# Altium PCB ledcube8x8x8.PcbDoc (part 2 of 2)
Units mil, origin at the board's own origin, x right, y up, seen from the top; angles counter-clockwise.
Board outline 3409 x 3740.16 mil, 2 copper layers (Top Layer, Bottom Layer); 126 components, 182 nets, 509 pads, 360 vias.
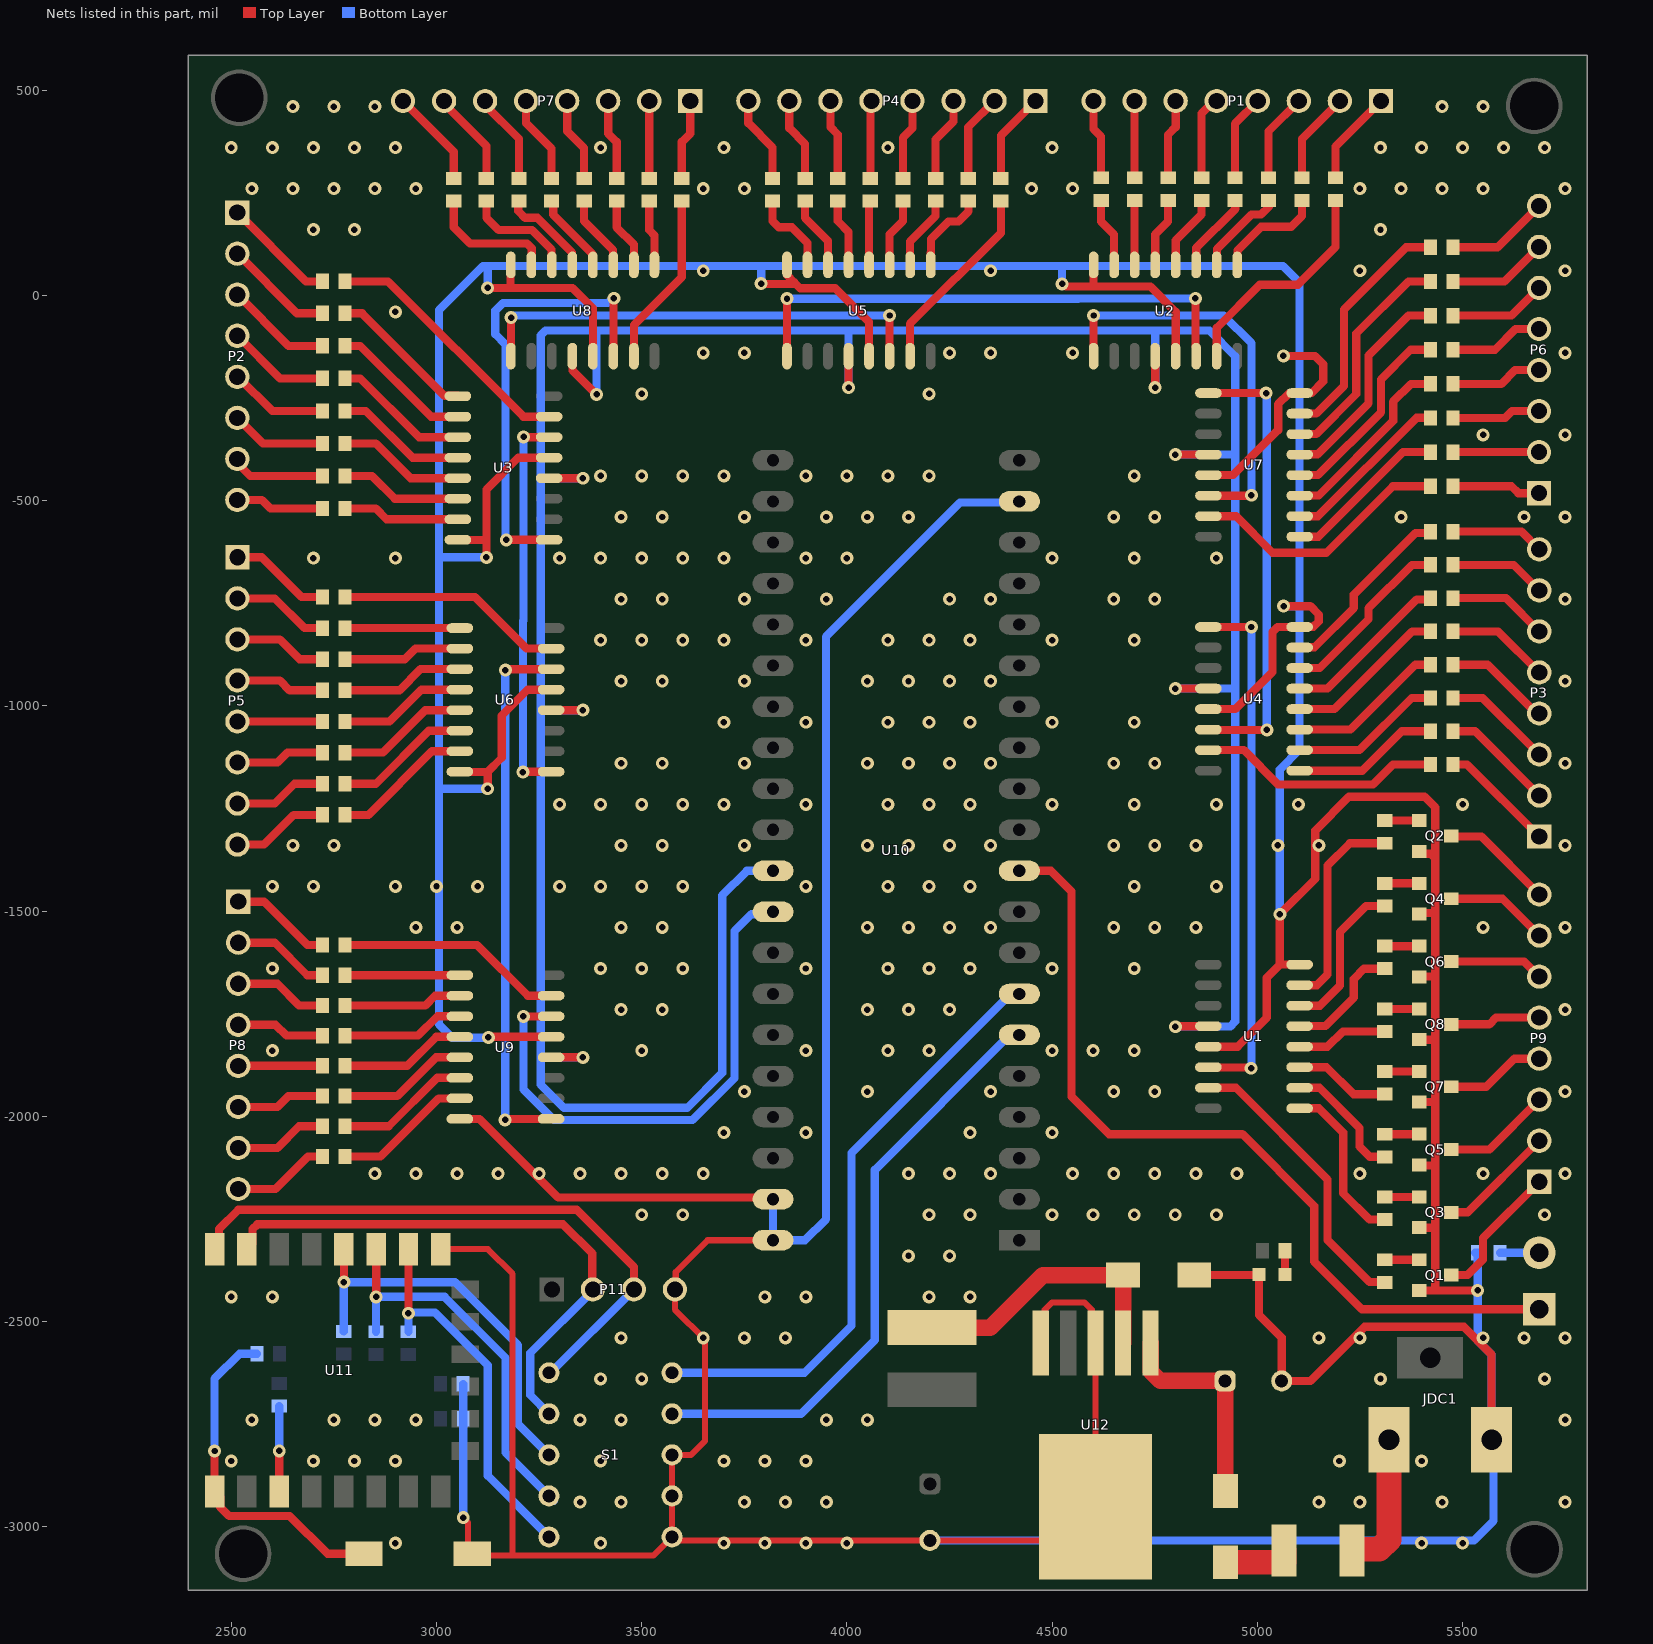
[diagram p2: the nets of this part, all layers, seen from the top]

## Via types
v1: diameter 31.5/31.5 (per signal layer), hole 15.75, Top Layer to Bottom Layer, tented both sides, 305 vias
v2: diameter 31.5, hole 15.75, Top Layer to Bottom Layer, tented both sides, 55 vias

## Nets (pads, with @x,y where several pads share a name; then routed paths per layer and width w, separated by ;. In a path a pad name is that pad's centre, name@x,y a point inside that pad or via, vN(x,y) a via of type N, cw(c..) or ccw(c..) an arc to the next point about the centre after c; other vN are vias at no path point) (continued)
GND: C1.1 C2.1 C3.2 C4.2 D2.1 D3.2 JDC1.2 P11.4 Q1.2 Q2.2 Q3.2 Q4.2 Q5.2 Q6.2 Q7.2 Q8.2 R73.1 S1.6 S1.7 S1.8 SW1.2 U1.8 U1.13 U2.8 U2.13 U3.8 U3.13 U4.8 U4.13 U5.8 U5.13 U6.8 U6.13 U7.8 U7.13 U8.8 U8.13 U9.8 U9.13 U10.19 U10.39 U10.40 U11.15 U12.3 U12.5 U12.6 | length 23139.4
  Top Layer w15: U11.15@3021.59,-2323.72 3124.94,-2323.72 3185.31,-2384.1 3185.31,-3070.59 ; v2@3065.12,-2973.65 v2(3065.12,-2978.11) 3076.71,-2989.7 3076.71,-3055.51 3091.79,-3070.59 3185.31,-3070.59 ; U10.40@3820,-2302 3660.31,-2302 3582.75,-2379.56 3582.75,-2420.25 P11.4@3581,-2422 3581,-2470.9 3654.58,-2544.48 3654.58,-2790.83 3620.41,-2825 S1.8@3574,-2825 S1.7@3574,-2925 S1.6@3574,-3025 ; U12.5@4472.17,-2552.38 4481.85,-2542.69 4481.85,-2471.52 4499.74,-2453.64 4578.46,-2453.64 4596.34,-2471.52 4596.34,-2542.69 U12.3@4606.03,-2552.38 4606.03,-2938.41 4511.05,-3033.39 C4.2@4202.03,-3033.39 3590.82,-3033.39 3582.44,-3025 S1.6@3574,-3025 ; U12.6@4606.03,-2951.59 U12.6@4626.77,-2972.33 ; 3185.31,-3070.59 3528.41,-3070.59 S1.6@3574,-3025
  Top Layer w20: U3.8@3052.04,-595.5 3052.74,-596.19 3121.58,-596.19 3121.58,-473.15 3199.23,-395.5 U3.13@3274.49,-395.5 ; U9.8@3056.78,-2006.42 3105.01,-2006.42 3296.57,-2197.98 3815.98,-2197.98 U10.39@3820,-2202 ; U6.8@3056.78,-1160.62 3057.47,-1161.32 3124.69,-1161.32 v2(3124.69,-1202) ; v2(3121.58,-638.2) 3121.58,-603.62 ; 3124.69,-1160.87 3159,-1126.56 3159,-1024 3222.38,-960.62 U6.13@3279.22,-960.62 ; v2(3124.69,18.26) 3331.33,18.26 3381,-31.42 U8.13@3381,-148.22 ; v2@3124.94,-1808.92 3127.44,-1806.42 U9.13@3279.22,-1806.42 ; 3180.31,28.85 3180.31,73.53 U8.8@3181,74.22 ; v2@3792.2,27.75 3867.53,27.75 ; U5.8@3854,74.22 3854.69,73.53 3854.69,48.75 3871.61,31.83 3886.31,17.13 3971.69,17.13 4054,-65.18 U5.13@4054,-148.22 ; v2(4524.22,27.89) 4527.33,27.89 4533.48,21.74 4739.3,21.74 4801,-39.96 U2.13@4801,-148.22 ; 4601,27.89 U2.8@4601,74.22 ; D2.1@4846.18,-2387.06 5002.21,-2387.06 D3.2@5004.22,-2385.05 ; U1.13@4880.55,-1830.59 4952.15,-1830.59 5023,-1759.74 5023,-1662.35 5054.76,-1630.59 ; U4.13@4880.55,-1008 4946.36,-1008 5037.07,-917.29 5037.07,-819.72 5048.79,-808 U4.8@5102.99,-808 5103.68,-807.31 5136.74,-807.31 5149.58,-794.47 5149.58,-777.9 5128.99,-757.32 v2(5064,-757.32) ; U7.13@4880.78,-438 4941.13,-438 5050.74,-328.39 5050.74,-265.12 5077.17,-238.69 5102.53,-238.69 5103.91,-237.31 5132.71,-237.31 5160.37,-209.65 5160.37,-167.63 5140.27,-147.53 v2(5063.4,-147.53) ; D3.2@5004.26,-2386 5004.26,-2484.26 5059.21,-2539.21 C3.2@5059.21,-2644.8 5129.44,-2644.8 5261.24,-2513 5503.57,-2513 5522,-2531.43 5570.69,-2580.13 JDC1.2@5570.69,-2788.41 ; v2(5054.76,-1507.88) 5054.76,-1630.59 ; v2@5058.51,-1506.33 5058.51,-1504.13 5141.23,-1421.42 5141.23,-1303.8 5223.56,-1221.46 5407.46,-1221.46 5433.56,-1247.56 5433.56,-1371.97 ; U1.8@5102.99,-1630.59 5054.76,-1630.59 ; Q1.2@5394.19,-2424.46 5433.56,-2424.46 ; Q3.2@5394.19,-2271.46 5432.32,-2271.46 5433.56,-2270.21 ; Q5.2@5394.19,-2118.46 5395.61,-2119.88 5428.66,-2119.88 5433.56,-2124.77 ; Q7.2@5394.19,-1965.46 5431.17,-1965.46 5433.56,-1963.07 ; Q8.2@5394.19,-1813.51 5433.39,-1813.51 5433.56,-1813.67 ; Q6.2@5394.19,-1660.51 5395.37,-1659.33 5428.9,-1659.33 5433.56,-1654.67 ; Q4.2@5394.19,-1507.51 5396.58,-1505.11 5433.56,-1505.11 ; Q2.2@5394.19,-1354.51 5399.94,-1360.25 5421.84,-1360.25 5433.56,-1371.97 ; v2(5536.82,-2424.46) 5433.56,-2424.46 ; 5433.56,-2424.46 5433.56,-2270.21 ; 5433.56,-2270.21 5433.56,-2124.77 ; 5433.56,-2124.77 5433.56,-1963.07 ; 5433.56,-1963.07 5433.56,-1813.67 ; 5433.56,-1813.67 5433.56,-1654.67 ; 5433.56,-1654.67 5433.56,-1505.11 ; 5433.56,-1505.11 5433.56,-1371.97
  Bottom Layer w20: v2@3065.12,-2973.65 C2.1@3065.12,-2652.56 ; v2(3121.58,-638.2) 3006.08,-638.2 ; v2(3124.69,-1202) 3006.08,-1202 ; v2(3124.69,18.26) 3124.69,68.73 3127.29,71.33 ; v2@3124.94,-1808.92 3038.51,-1808.92 3006.08,-1776.49 3006.08,-1202 ; v2(3791.09,28.85) 3791.09,71.33 ; U10.39@3820,-2202 U10.40@3820,-2302 3898.04,-2302 3949,-2251.04 3949,-831.58 4275.58,-505 4420,-505 U10.19@4420,-502 ; C4.2@4202.03,-3033.39 5527.55,-3033.39 5575.14,-2985.79 5575.14,-2788.41 JDC1.2@5570.69,-2788.41 5570.69,-2580.13 5536.82,-2546.25 v2(5536.82,-2424.46) 5536.82,-2339.05 5530.35,-2332.59 R73.1@5536.26,-2332.59 ; v2(4524.22,27.89) 4524.22,71.33 ; v2(5054.76,-1507.88) 5054.76,-1155.16 5102.99,-1106.93 5102.99,-757.32 ; v2(5063.4,-147.53) 5102.24,-147.53 5102.99,-148.27 ; v2(5064,-757.32) 5102.99,-757.32 ; 3006.08,-1202 3006.08,-638.2 ; 3006.08,-638.2 3006.08,-35.92 3113.33,71.33 3127.29,71.33 ; 3127.29,71.33 3791.09,71.33 ; 3791.09,71.33 4524.22,71.33 ; 4524.22,71.33 5062.67,71.33 5102.99,31.01 5102.99,-148.27 ; 5102.99,-757.32 5102.99,-148.27
  other v1: 2900,-3040 3400,-3040 3700,-3040 3800,-3040 3900,-3040 4000,-3040 5400,-3040 5500,-3040 3350,-2940 3450,-2940 3750,-2940 3850,-2940 3950,-2940 5150,-2940 5250,-2940 5450,-2940 5750,-2940 2500,-2840 2700,-2840 2800,-2840 2900,-2840 3400,-2840 3700,-2840 3800,-2840 3900,-2840 5200,-2840 5400,-2840 2550,-2740 2750,-2740 2850,-2740 2950,-2740 3350,-2740 3450,-2740 3950,-2740 4050,-2740 5750,-2740 3400,-2640 3500,-2640 5300,-2640 5700,-2640 3450,-2540 3650,-2540 3750,-2540 3850,-2540 5150,-2540 5250,-2540 5550,-2540 5650,-2540 5750,-2540 2500,-2440 2600,-2440 3800,-2440 3900,-2440 4200,-2440 4300,-2440 4150,-2340 4250,-2340 3500,-2240 3600,-2240 4200,-2240 4300,-2240 4500,-2240 4600,-2240 4700,-2240 4800,-2240 4900,-2240 5700,-2240 2850,-2140 2950,-2140 3050,-2140 3150,-2140 3250,-2140 3350,-2140 3450,-2140 3550,-2140 3650,-2140 4150,-2140 4250,-2140 4350,-2140 4550,-2140 4650,-2140 4750,-2140 4850,-2140 4950,-2140 5250,-2140 5550,-2140 5750,-2140 3700,-2040 3900,-2040 4300,-2040 4500,-2040 3750,-1940 4050,-1940 4350,-1940 4650,-1940 4750,-1940 5750,-1940 2600,-1840 3500,-1840 3900,-1840 4100,-1840 4200,-1840 4500,-1840 4600,-1840 4700,-1840 3450,-1740 3550,-1740 4050,-1740 4150,-1740 4250,-1740 5750,-1740 2600,-1640 3400,-1640 3500,-1640 3600,-1640 3900,-1640 4100,-1640 4200,-1640 4300,-1640 4500,-1640 4700,-1640 2950,-1540 3050,-1540 3450,-1540 3550,-1540 4050,-1540 4150,-1540 4250,-1540 4350,-1540 4650,-1540 4750,-1540 4850,-1540 5550,-1540 5750,-1540 2600,-1440 2700,-1440 2900,-1440 3000,-1440 3100,-1440 3300,-1440 3400,-1440 3500,-1440 3600,-1440 3900,-1440 4100,-1440 4200,-1440 4300,-1440 4700,-1440 4900,-1440 2650,-1340 2750,-1340 3450,-1340 3550,-1340 3750,-1340 4050,-1340 4150,-1340 4250,-1340 4350,-1340 4650,-1340 4750,-1340 4850,-1340 5050,-1340 5150,-1340 5750,-1340 3300,-1240 3400,-1240 3500,-1240 3600,-1240 3700,-1240 3900,-1240 4100,-1240 4200,-1240 4300,-1240 4500,-1240 4700,-1240 4900,-1240 5100,-1240 5500,-1240 3450,-1140 3550,-1140 3750,-1140 4050,-1140 4150,-1140 4250,-1140 4350,-1140 4650,-1140 4750,-1140 5750,-1140 3700,-1040 3900,-1040 4100,-1040 4200,-1040 4300,-1040 4500,-1040 4700,-1040 3450,-940 3550,-940 3750,-940 4050,-940 4150,-940 4250,-940 4350,-940 5750,-940 3400,-840 3500,-840 3600,-840 3700,-840 3900,-840 4100,-840 4200,-840 4300,-840 4500,-840 4700,-840 3450,-740 3550,-740 3750,-740 3950,-740 4250,-740 4350,-740 4650,-740 4750,-740 5750,-740 2700,-640 2900,-640 3300,-640 3400,-640 3500,-640 3600,-640 3700,-640 3900,-640 4000,-640 4500,-640 4700,-640 4900,-640 3450,-540 3550,-540 3750,-540 3950,-540 4050,-540 4150,-540 4650,-540 4750,-540 5350,-540 5650,-540 5750,-540 3400,-440 3500,-440 3600,-440 3700,-440 3900,-440 4000,-440 4100,-440 4200,-440 4700,-440 5550,-340 5750,-340 3500,-240 4200,-240 3650,-140 3750,-140 4250,-140 4350,-140 4550,-140 5750,-140 2900,-40 3650,60 4350,60 5250,60 5750,60 2700,160 2800,160 5300,160 2550,260 2650,260 2750,260 2850,260 2950,260 3650,260 3750,260 4450,260 4550,260 5250,260 5350,260 5450,260 5550,260 5750,260 2500,360 2600,360 2700,360 2800,360 2900,360 3400,360 3700,360 4100,360 4500,360 5300,360 5400,360 5500,360 5600,360 5700,360 2650,460 2750,460 2850,460 5450,460 5550,460
  other v2: 3126.19,-1807.67
GPIO0: R78.1 S1.3 U11.18 | length 987
  Top Layer w20: v2(2774.37,-2404.25) U11.18@2774.37,-2323.72
  Bottom Layer w20: R78.1@2774,-2524.44 2774,-2404.62 v2(2774.37,-2404.25) 3044.86,-2404.25 3198.41,-2557.81 3198.41,-2749.41 S1.3@3274,-2825
GPIO2: R77.1 S1.4 U11.17 | length 975.9
  Top Layer w20: v2(2852.74,-2440) 2853.11,-2439.63 U11.17@2853.11,-2323.72
  Bottom Layer w20: R77.1@2852.74,-2525 v2(2852.74,-2440) 3020,-2440 3168.41,-2588.41 3168.41,-2819.41 S1.4@3286,-2937
GPIO15: R76.1 S1.5 U11.16 | length 931.9
  Top Layer w20: v2(2931.48,-2480.03) U11.16@2931.48,-2336.32
  Bottom Layer w20: R76.1@2931.48,-2525 v2(2931.48,-2480.03) 2933.51,-2478 2996.15,-2478 3124.94,-2606.79 3124.94,-2875.94 S1.5@3274,-3025 S1.5@3285.02,-3036.02
LATCH: U1.12 U2.12 U3.12 U4.12 U5.12 U6.12 U7.12 U8.12 U9.12 U10.31 | length 8182.5
  Top Layer w20: U3.12@3274.49,-445.5 v2(3356.58,-445.5) ; U9.12@3279.22,-1856.42 v2(3356.58,-1856.42) ; U6.12@3279.22,-1010.62 v2(3356.58,-1010.62) ; U8.12@3331,-148.22 3331.69,-148.91 3331.69,-183.38 3389.31,-241 v2(3390,-241) ; v2(4004,-224.67) U5.12@4004,-148.22 ; v2(4751,-224.67) U2.12@4751,-148.22 ; v2(4800.09,-958) U4.12@4880.55,-958 ; v2(4800.09,-388) U7.12@4880.78,-388 ; v2@4801.41,-1780.59 U1.12@4880.55,-1780.59
  Bottom Layer w20: v2(3356.58,-1856.42) 3253.86,-1856.42 ; v2(3356.58,-1010.62) 3253.86,-1010.62 ; v2(3356.58,-445.5) 3253.86,-445.5 ; v2(3390,-241) 3390,-85.9 ; U10.31@3820,-1402 3756,-1402 3696,-1462 3696,-1894.37 3610.99,-1979.38 3310.36,-1979.38 3253.86,-1922.88 3253.86,-1856.42 ; v2(4004,-224.67) 4004,-85.9 ; v2(4751,-224.67) 4751,-85.89 ; v2(4800.09,-1781.91) 4800.96,-1781.04 4934.28,-1781.04 4946,-1769.33 4946,-957.92 ; v2(4800.09,-958) 4945.92,-958 4946,-957.92 ; v2(4800.09,-388) 4946,-388 ; 3253.86,-1856.42 3253.86,-1010.62 ; 3253.86,-1010.62 3253.86,-445.5 ; 3253.86,-445.5 3253.86,-97.61 3265.57,-85.9 3390,-85.9 ; 3390,-85.9 4004,-85.9 ; 4004,-85.9 4375.53,-85.9 4751,-85.89 ; 4751,-85.89 4883.62,-85.89 4946,-148.27 4946,-388 ; 4946,-957.92 4946,-388
LAYER1: R65.1 U1.15 | length 709.4
  Top Layer w20: U1.15@4880.55,-1930.59 4947.8,-1930.59 5171.23,-2154.01 5171.23,-2302 5272.94,-2403.71 R65.1@5307.32,-2403.71
LAYER2: R67.1 U1.1 | length 406.1
  Top Layer w20: U1.1@5102.99,-1980.59 5149.81,-1980.59 5209,-2039.77 5209,-2187.68 5273.23,-2251.91 R67.1@5310.09,-2251.92
LAYER3: R69.1 U1.2 | length 304.2
  Top Layer w20: U1.2@5102.99,-1930.59 5151.23,-1930.59 5248.97,-2028.33 5248.97,-2073.87 5273.69,-2098.59 5308.06,-2098.59 R69.1@5310.09,-2100.62
LAYER4: R71.1 U1.3 | length 234.3
  Top Layer w20: U1.3@5102.99,-1880.59 5168.78,-1880.59 5234.42,-1946.22 R71.1@5310.09,-1946.22
LAYER5: R72.1 U1.4 | length 225.7
  Top Layer w20: U1.4@5102.99,-1830.59 5171.23,-1830.59 5208.44,-1793.37 R72.1@5313.25,-1793.37
LAYER6: R70.1 U1.5 | length 291.7
  Top Layer w20: U1.5@5102.99,-1780.59 5103.68,-1779.9 5165.84,-1779.9 5235.03,-1710.7 5235.03,-1665.39 5259.9,-1640.52 R70.1@5310.09,-1640.52
LAYER7: R68.1 U1.6 | length 382.7
  Top Layer w20: U1.6@5102.99,-1730.59 5152.33,-1730.59 5201.23,-1681.69 5201.23,-1550.77 5264.33,-1487.67 R68.1@5308.36,-1487.67
LAYER8: R66.1 U1.7 | length 506.1
  Top Layer w20: U1.7@5102.99,-1680.59 5145.31,-1680.59 5171.23,-1654.67 5171.23,-1388.79 5225.19,-1334.82 R66.1@5310.09,-1334.82
NetC3_1: C3.1 D1.2 U12.1 | length 521.7
  Top Layer w40: U12.1@4739.89,-2552.38 4739.89,-2621.37 4763.32,-2644.8 C3.1@4921.41,-2644.8 D1.2@4921.41,-2906.23
NetD1_1: D1.1 F1.2 | length 171.6
  Top Layer w60: D1.1@4922,-3086.61 5064.87,-3086.61 5065.38,-3086.1 F1.2@5065.38,-3058.08
NetD2_2: D2.2 L1.1 U12.2 | length 742.6
  Top Layer w20: U12.2@4672.96,-2611.43 U12.2@4672.96,-2552.38
  Top Layer w40: L1.1@4207.71,-2514.97 4349.57,-2514.97 4477.49,-2387.06 D2.2@4672.96,-2387.06 U12.2@4672.96,-2552.38
NetD3_1: D3.1 R79.2 | length 58.4
  Top Layer w20: D3.1@5067.22,-2385.04 R79.2@5067.22,-2326.68
NetP1_1: P1.1 R15.1 | length 232.7
  Top Layer w20: R15.1@5190.37,286.67 5190.37,363.07 P1.1@5300.92,473.62
NetP1_2: P1.2 R13.1 | length 225.1
  Top Layer w20: R13.1@5108.8,286.67 5108.8,381.5 P1.2@5200.92,473.62
NetP1_3: P1.3 R11.1 | length 217.5
  Top Layer w20: R11.1@5027.22,286.67 5027.22,399.92 P1.3@5100.92,473.62
NetP1_4: P1.4 R9.1 | length 209.8
  Top Layer w20: R9.1@4945.64,286.67 4945.64,418.35 P1.4@5000.92,473.62
NetP1_5: P1.5 R7.1 | length 205.8
  Top Layer w20: R7.1@4864.07,286.67 4864.07,442.86 4894.83,473.62 P1.5@4900.92,473.62
NetP1_6: P1.6 R5.1 | length 194.6
  Top Layer w20: R5.1@4782.49,286.67 4782.49,391.32 4800.92,409.75 P1.6@4800.92,473.62
NetP1_7: P1.7 R3.1 | length 187
  Top Layer w20: R3.1@4700.92,286.67 P1.7@4700.92,473.62
NetP1_8: P1.8 R1.1 | length 194.6
  Top Layer w20: P1.8@4600.92,473.62 4600.92,405.32 4619.34,386.9 R1.1@4619.34,286.67
NetP2_1: P2.1 R16.1 | length 276.7
  Top Layer w20: P2.1@2514.73,201.59 2682.32,34 R16.1@2722,34
NetP2_2: P2.2 R14.1 | length 267.5
  Top Layer w20: P2.2@2514.73,101.59 2660.03,-43.71 R14.1@2722,-43.71
NetP2_3: P2.3 R12.1 | length 258.9
  Top Layer w20: P2.3@2514.73,1.59 2639.32,-123 R12.1@2722,-123
NetP2_4: P2.4 R10.1 | length 250.3
  Top Layer w20: P2.4@2514.73,-98.41 2618.6,-202.29 R10.1@2722,-202.29
NetP2_5: P2.5 R8.1 | length 241.7
  Top Layer w20: P2.5@2514.73,-198.41 2516.82,-198.41 2599.98,-281.57 R8.1@2722,-281.57
NetP2_6: P2.6 R6.1 | length 233.1
  Top Layer w20: P2.6@2514.73,-298.41 2577.18,-360.86 R6.1@2722,-360.86
NetP2_7: P2.7 R4.1 | length 230.6
  Top Layer w20: P2.7@2514.73,-398.41 2514.73,-408.64 2546.23,-440.14 R4.1@2722,-440.14
NetP2_8: P2.8 R2.1 | length 216
  Top Layer w20: P2.8@2514.73,-498.41 2574.39,-498.41 2595.41,-519.43 R2.1@2722,-519.43
NetP3_1: P3.1 R38.1 | length 282.8
  Top Layer w20: R38.1@5476.84,-1142.91 5511.02,-1142.91 P3.1@5686.82,-1318.7
NetP3_2: P3.2 R35.1 | length 274.9
  Top Layer w20: R35.1@5476.84,-1061.85 5529.97,-1061.85 P3.2@5686.82,-1218.7
NetP3_3: P3.3 R32.1 | length 267.1
  Top Layer w20: R32.1@5476.84,-980.8 5548.92,-980.8 P3.3@5686.82,-1118.7
NetP3_4: P3.4 R29.1 | length 259.2
  Top Layer w20: R29.1@5476.84,-899.75 5560.83,-899.75 5679.78,-1018.7 P3.4@5686.82,-1018.7
NetP3_5: P3.5 R26.1 | length 251.4
  Top Layer w20: R26.1@5476.84,-818.7 5586.82,-818.7 P3.5@5686.82,-918.7
NetP3_6: P3.6 R23.1 | length 243.5
  Top Layer w20: R23.1@5476.84,-737.65 5605.77,-737.65 P3.6@5686.82,-818.7
NetP3_7: P3.7 R20.1 | length 235.7
  Top Layer w20: R20.1@5476.84,-656.6 5624.72,-656.6 P3.7@5686.82,-718.7
NetP3_8: P3.8 R17.1 | length 227.8
  Top Layer w20: R17.1@5476.84,-575.55 5643.66,-575.55 P3.8@5686.82,-618.7
NetP4_1: P4.1 R39.1 | length 224.1
  Top Layer w20: R39.1@4375.09,284.7 4375.09,389.25 P4.1@4459.65,473.81
NetP4_2: P4.2 R36.1 | length 215.6
  Top Layer w20: R36.1@4295.59,284.7 4295.59,409.75 P4.2@4359.65,473.81
NetP4_3: P4.3 R33.1 | length 207.2
  Top Layer w20: R33.1@4216.09,284.7 4216.09,379.72 4259.65,423.28 P4.3@4259.65,473.81
NetP4_4: P4.4 R30.1 | length 198.7
  Top Layer w20: R30.1@4136.58,284.7 4136.58,384.28 4159.65,407.35 P4.4@4159.65,473.81
NetP4_5: P4.5 R27.1 | length 190.2
  Top Layer w20: R27.1@4057.08,284.7 4057.08,471.24 P4.5@4059.65,473.81
NetP4_6: P4.6 R24.1 | length 196.5
  Top Layer w20: P4.6@3959.65,473.81 3959.65,409.75 3977.58,391.83 R24.1@3977.58,284.7
NetP4_7: P4.7 R21.1 | length 205
  Top Layer w20: P4.7@3859.65,473.81 3859.65,407.35 3898.07,368.93 R21.1@3898.07,284.7
NetP4_8: P4.8 R18.1 | length 213.5
  Top Layer w20: P4.8@3759.65,473.81 3759.65,419.43 3818.57,360.51 R18.1@3818.57,284.7
NetP5_1: P5.1 R40.1 | length 247
  Top Layer w20: P5.1@2514.98,-638.2 2574.39,-638.2 2670.96,-734.77 R40.1@2722,-734.77
NetP5_2: P5.2 R37.1 | length 237
  Top Layer w20: P5.2@2514.98,-738.2 2605.91,-738.2 2678.33,-810.62 R37.1@2722,-810.62
NetP5_3: P5.3 R34.1 | length 227
  Top Layer w20: P5.3@2514.98,-838.2 2618.23,-838.2 2666.52,-886.48 R34.1@2722,-886.48
NetP5_4: P5.4 R31.1 | length 217
  Top Layer w20: P5.4@2514.98,-938.2 2618.23,-938.2 2642.37,-962.34 R31.1@2722,-962.34
NetP5_5: P5.5 R28.1 | length 207
  Top Layer w20: P5.5@2514.98,-1038.2 R28.1@2722,-1038.2
NetP5_6: P5.6 R25.1 | length 217
  Top Layer w20: P5.6@2514.98,-1138.2 2612.53,-1138.2 2636.68,-1114.05 R25.1@2722,-1114.05
NetP5_7: P5.7 R22.1 | length 227
  Top Layer w20: P5.7@2514.98,-1238.2 2605.91,-1238.2 2654.19,-1189.91 R22.1@2722,-1189.91
NetP5_8: P5.8 R19.1 | length 237
  Top Layer w20: P5.8@2514.98,-1338.2 2579.66,-1338.2 2652.08,-1265.77 R19.1@2722,-1265.77
NetP6_1: P6.1 R62.1 | length 216.4
  Top Layer w20: R62.1@5476.84,-465.07 5618.88,-465.07 5635.72,-481.91 P6.1@5686.24,-481.91
NetP6_2: P6.2 R59.1 | length 209.4
  Top Layer w20: R59.1@5476.84,-381.91 P6.2@5686.24,-381.91
NetP6_3: P6.3 R56.1 | length 216.4
  Top Layer w20: R56.1@5476.84,-298.75 5603.88,-298.75 5620.72,-281.91 P6.3@5686.24,-281.91
NetP6_4: P6.4 R53.1 | length 223.3
  Top Layer w20: R53.1@5476.84,-215.59 5594.37,-215.59 5628.05,-181.91 P6.4@5686.24,-181.91
NetP6_5: P6.5 R50.1 | length 230.3
  Top Layer w20: R50.1@5476.84,-132.43 5578.63,-132.43 5629.15,-81.91 P6.5@5686.24,-81.91
NetP6_6: P6.6 R47.1 | length 237.3
  Top Layer w20: R47.1@5476.84,-49.27 5618.88,-49.27 P6.6@5686.24,18.09
NetP6_7: P6.7 R44.1 | length 244.3
  Top Layer w20: R44.1@5476.84,33.89 5602.04,33.89 P6.7@5686.24,118.09
NetP6_8: P6.8 R41.1 | length 251.2
  Top Layer w20: R41.1@5476.84,117.05 5585.2,117.05 P6.8@5686.24,218.09
NetP7_1: P7.1 R63.1 | length 197.5
  Top Layer w20: R63.1@3597.74,284.7 3597.74,374.08 3618.38,394.72 P7.1@3618.38,473.62
NetP7_2: P7.2 R60.1 | length 188.9
  Top Layer w20: R60.1@3518.38,284.7 P7.2@3518.38,473.62
NetP7_3: P7.3 R57.1 | length 197.5
  Top Layer w20: P7.3@3418.38,473.62 3418.38,394.72 3439.02,374.08 R57.1@3439.02,284.7
NetP7_4: P7.4 R54.1 | length 206
  Top Layer w20: P7.4@3318.38,473.62 3318.38,400.04 3359.66,358.76 R54.1@3359.66,284.7
NetP7_5: P7.5 R51.1 | length 214.6
  Top Layer w20: P7.5@3218.38,473.62 3218.38,419.43 3280.3,357.51 R51.1@3280.3,284.7
NetP7_6: P7.6 R48.1 | length 223.1
  Top Layer w20: P7.6@3118.38,473.62 3118.38,464.19 3200.94,381.63 R48.1@3200.94,284.7
NetP7_7: P7.7 R45.1 | length 231.7
  Top Layer w20: P7.7@3018.38,473.62 3018.38,467.38 3121.58,364.18 R45.1@3121.58,284.7
NetP7_8: P7.8 R42.1 | length 240.2
  Top Layer w20: P7.8@2918.38,473.62 3042.22,349.78 R42.1@3042.22,284.7
NetP8_1: P8.1 R64.1 | length 248.8
  Top Layer w20: P8.1@2516.98,-1477.2 2579.66,-1477.2 2685.29,-1582.83 R64.1@2722,-1582.83
NetP8_2: P8.2 R61.1 | length 237.8
  Top Layer w20: P8.2@2516.98,-1577.2 2605.91,-1577.2 2685.13,-1656.42 R61.1@2722,-1656.42
NetP8_3: P8.3 R58.1 | length 226.9
  Top Layer w20: P8.3@2516.98,-1677.2 2612.53,-1677.2 2665.35,-1730.01 R58.1@2722,-1730.01
NetP8_4: P8.4 R55.1 | length 216
  Top Layer w20: P8.4@2516.98,-1777.2 2607.99,-1777.2 2634.39,-1803.6 R55.1@2722,-1803.6
NetP8_5: P8.5 R52.1 | length 205
  Top Layer w20: P8.5@2516.98,-1877.2 R52.1@2722,-1877.2
NetP8_6: P8.6 R49.1 | length 216
  Top Layer w20: P8.6@2516.98,-1977.2 2612.53,-1977.2 2638.94,-1950.79 R49.1@2722,-1950.79
NetP8_7: P8.7 R46.1 | length 226.9
  Top Layer w20: P8.7@2516.98,-2077.2 2612.53,-2077.2 2665.35,-2024.38 R46.1@2722,-2024.38
NetP8_8: P8.8 R43.1 | length 237.8
  Top Layer w20: P8.8@2516.98,-2177.2 2607.99,-2177.2 2687.21,-2097.98 R43.1@2722,-2097.98
NetP9_1: P9.1 Q1.3 | length 339.1
  Top Layer w20: Q1.3@5472.93,-2387.06 5512.5,-2387.06 5550.01,-2349.55 5550.01,-2296.55 P9.1@5686.82,-2159.74
NetP9_2: P9.2 Q3.3 | length 286.1
  Top Layer w20: Q3.3@5472.93,-2234.06 5512.5,-2234.06 P9.2@5686.82,-2059.74
NetP9_3: P9.3 Q5.3 | length 264.1
  Top Layer w20: Q5.3@5472.93,-2081.06 5565.5,-2081.06 P9.3@5686.82,-1959.74
NetP9_4: P9.4 Q7.3 | length 242.2
  Top Layer w20: Q7.3@5472.93,-1928.06 5557.88,-1928.06 5626.19,-1859.74 P9.4@5686.82,-1859.74
NetP9_5: P9.5 Q8.3 | length 220.7
  Top Layer w20: Q8.3@5472.93,-1776.1 5565.04,-1776.1 5581.4,-1759.74 P9.5@5686.82,-1759.74
NetP9_6: P9.6 Q6.3 | length 229.1
  Top Layer w20: Q6.3@5472.93,-1623.1 5650.18,-1623.1 P9.6@5686.82,-1659.74
NetP9_7: P9.7 Q4.3 | length 251
  Top Layer w20: Q4.3@5472.93,-1470.1 5597.18,-1470.1 P9.7@5686.82,-1559.74
NetP9_8: P9.8 Q2.3 | length 273
  Top Layer w20: Q2.3@5472.93,-1317.1 5474.58,-1318.76 5545.83,-1318.76 P9.8@5686.82,-1459.74
NetP10_1: P10.1 U10.10 | length 2081.6
  Top Layer w20: U10.10@4420,-1402 4497,-1402 4547,-1452 4547,-1952.26 4638.4,-2043.65 4963.42,-2043.65 5138.44,-2218.67 5138.44,-2353.89 5254.94,-2470.38 P10.1@5686.82,-2470.38
NetP10_2: P10.2 R73.2 | length 95.4
  Bottom Layer w20: R73.2@5591.38,-2332.59 P10.2@5686.82,-2332.59
NetQ1_1: Q1.1 R65.2 | length 84.1
  Top Layer w20: R65.2@5310.09,-2349.65 Q1.1@5394.19,-2349.65
NetQ2_1: Q2.1 R66.2 | length 84.1
  Top Layer w20: R66.2@5310.09,-1279.7 Q2.1@5394.19,-1279.7
NetQ3_1: Q3.1 R67.2 | length 84.2
  Top Layer w20: R67.2@5310.09,-2196.8 5310.24,-2196.65 Q3.1@5394.19,-2196.65
NetQ4_1: Q4.1 R68.2 | length 84.2
  Top Layer w20: R68.2@5310.09,-1432.55 5394.04,-1432.55 Q4.1@5394.19,-1432.7
NetQ5_1: Q5.1 R69.2 | length 84.9
  Top Layer w20: R69.2@5310.09,-2045.51 5311.94,-2043.65 Q5.1@5394.19,-2043.65
NetQ6_1: Q6.1 R70.2 | length 84.2
  Top Layer w20: R70.2@5310.09,-1585.4 5310.39,-1585.7 Q6.1@5394.19,-1585.7
NetQ7_1: Q7.1 R71.2 | length 84.3
  Top Layer w20: R71.2@5310.09,-1891.1 5310.54,-1890.65 Q7.1@5394.19,-1890.65
NetQ8_1: Q8.1 R72.2 | length 84.3
  Top Layer w20: R72.2@5310.09,-1738.25 5310.54,-1738.7 Q8.1@5394.19,-1738.7
NetR1_2: R1.2 U2.7 | length 170.4
  Top Layer w20: R1.2@4619.34,231.55 4619.34,180 4651,148.34 U2.7@4651,74.22
NetR2_2: R2.2 U3.7 | length 285.7
  Top Layer w20: R2.2@2777.12,-519.43 2852.09,-519.43 2878.15,-545.5 U3.7@3052.04,-545.5
NetR3_2: R3.2 U2.6 | length 157.2
  Top Layer w20: U2.6@4700.92,74.31 R3.2@4700.92,231.55
NetR4_2: R4.2 U3.6 | length 297.8
  Top Layer w20: R4.2@2777.12,-440.14 2843,-440.14 2898.35,-495.5 U3.6@3052.04,-495.5
NetR5_2: R5.2 U2.5 | length 170.4
  Top Layer w20: U2.5@4751,74.22 4751,148.51 4782.49,180 R5.2@4782.49,231.55
NetR6_2: R6.2 U3.5 | length 310
  Top Layer w20: R6.2@2777.12,-360.86 2852.09,-360.86 2936.73,-445.5 U3.5@3052.04,-445.5
NetR7_2: R7.2 U2.4 | length 183.5
  Top Layer w20: U2.4@4801,74.22 4801,133.93 4864.07,197 R7.2@4864.07,231.55
NetR8_2: R8.2 U3.4 | length 322.1
  Top Layer w20: R8.2@2777.12,-281.57 2827.57,-281.57 2941.5,-395.5 U3.4@3052.04,-395.5
NetR9_2: R9.2 U2.3 | length 197
  Top Layer w20: U2.3@4851,74.22 4851,115.62 4946.24,210.86 4946.24,230.96 R9.2@4945.64,231.55
NetR10_2: R10.2 U3.3 | length 334.2
  Top Layer w20: R10.2@2777.12,-202.29 2814.29,-202.29 2957.5,-345.5 U3.3@3052.04,-345.5
NetR11_2: R11.2 U2.2 | length 223.8
  Top Layer w20: U2.2@4901,74.22 4901.69,74.91 4901.69,113.24 4985.46,197 5008.94,197 5027.74,215.8 5027.74,231.03 R11.2@5027.22,231.55
NetR12_2: R12.2 U3.2 | length 346.4
  Top Layer w20: R12.2@2777.12,-123 2814.29,-123 2986.78,-295.5 U3.2@3052.04,-295.5
NetR13_2: R13.2 U2.1 | length 265.7
  Top Layer w20: U2.1@4951,74.22 4951.69,74.91 4951.69,109.69 5009,167 5082.37,167 5108.8,193.42 R13.2@5108.8,231.55
NetR14_2: R14.2 U3.1 | length 358.5
  Top Layer w20: R14.2@2777.12,-43.71 2818.9,-43.71 3019.99,-244.8 3051.35,-244.8 U3.1@3052.04,-245.5
NetR15_2: R15.2 U2.15 | length 554
  Top Layer w20: U2.15@4901,-148.22 4901,-79 5005.99,25.99 5098.84,25.99 5190.37,117.52 R15.2@5190.37,231.55
NetR16_2: R16.2 U3.15 | length 633.8
  Top Layer w20: R16.2@2777.12,34 2882.1,34 3211.59,-295.5 U3.15@3274.49,-295.5
NetR17_2: R17.2 U4.7 | length 454.8
  Top Layer w20: U4.7@5102.99,-858 5103.68,-857.31 5139,-857.31 5235.03,-761.27 5235.03,-728.77 5384.95,-578.85 5418.42,-578.85 R17.2@5421.72,-575.55
NetR18_2: R18.2 U5.7 | length 219.6
  Top Layer w20: R18.2@3818.57,229.58 3818.57,181.34 3834.13,165.78 3865.99,165.78 3904,127.77 U5.7@3904,64
NetR19_2: R19.2 U6.7 | length 343.9
  Top Layer w20: R19.2@2777.12,-1265.77 2834.23,-1265.77 2989.38,-1110.62 U6.7@3056.78,-1110.62
NetR20_2: R20.2 U4.6 | length 438.7
  Top Layer w20: U4.6@5102.99,-908 5152,-908 5270.92,-789.08 5270.92,-762.08 5376.4,-656.6 R20.2@5421.72,-656.6
NetR21_2: R21.2 U5.6 | length 149.5
  Top Layer w20: R21.2@3898.07,229.58 3898.07,188.93 3954,133 U5.6@3954,103.22
NetR22_2: R22.2 U6.6 | length 333.2
  Top Layer w20: R22.2@2777.12,-1189.91 2852.09,-1189.91 2981.38,-1060.62 U6.6@3056.78,-1060.62
NetR23_2: R23.2 U4.5 | length 410
  Top Layer w20: U4.5@5102.99,-958 5171.23,-958 5388.21,-741.01 5418.36,-741.01 R23.2@5421.72,-737.65
NetR24_2: R24.2 U5.5 | length 166.3
  Top Layer w20: R24.2@3977.58,229.58 3977.58,181.34 4004,154.91 U5.5@4004,74.22
NetR25_2: R25.2 U6.5 | length 322.5
  Top Layer w20: R25.2@2777.12,-1114.05 2869.35,-1114.05 2972.78,-1010.62 U6.5@3056.78,-1010.62
NetR26_2: R26.2 U4.4 | length 397.1
  Top Layer w20: U4.4@5102.99,-1008 5187.9,-1008 5377.2,-818.7 R26.2@5421.72,-818.7
NetR27_2: R27.2 U5.4 | length 156.6
  Top Layer w20: U5.4@4054,74.22 4054,226.5 R27.2@4057.08,229.58
NetR28_2: R28.2 U6.4 | length 311.8
  Top Layer w20: R28.2@2777.12,-1038.2 2885.8,-1038.2 2963.38,-960.62 U6.4@3056.78,-960.62
NetR29_2: R29.2 U4.3 | length 384.3
  Top Layer w20: U4.3@5102.99,-1058 5227,-1058 5385.25,-899.75 R29.2@5421.72,-899.75
NetR30_2: R30.2 U5.3 | length 168.9
  Top Layer w20: U5.3@4104,74.22 4104,148.75 4136.58,181.34 R30.2@4136.58,229.58
NetR31_2: R31.2 U6.3 | length 301.1
  Top Layer w20: R31.2@2777.12,-962.34 2909.66,-962.34 2961.38,-910.62 U6.3@3056.78,-910.62
NetR32_2: R32.2 U4.2 | length 371.4
  Top Layer w20: U4.2@5102.99,-1108 5248.97,-1108 5376.17,-980.8 R32.2@5421.72,-980.8
NetR33_2: R33.2 U5.2 | length 152.1
  Top Layer w20: U5.2@4154,103.22 4154,131.34 4216.09,193.42 R33.2@4216.09,229.58
NetR34_2: R34.2 U6.2 | length 290.4
  Top Layer w20: R34.2@2777.12,-886.48 2922.78,-886.48 2948.64,-860.62 U6.2@3056.78,-860.62
NetR35_2: R35.2 U4.1 | length 358.6
  Top Layer w20: U4.1@5102.99,-1158 5255.75,-1158 5351.89,-1061.85 R35.2@5421.72,-1061.85
NetR36_2: R36.2 U5.1 | length 179.4
  Top Layer w20: U5.1@4204,103.22 4204.69,103.91 4204.69,137.69 4247,180 4271.6,180 4296.39,204.78 4296.39,228.79 R36.2@4295.59,229.58
NetR37_2: R37.2 U6.1 | length 279.7
  Top Layer w20: R37.2@2777.12,-810.62 U6.1@3056.78,-810.62
NetR38_2: R38.2 U4.15 | length 595.9
  Top Layer w20: U4.15@4880.55,-1108 4967,-1108 5050.46,-1191.46 5281.89,-1191.46 5330.45,-1142.91 R38.2@5421.72,-1142.91
NetR39_2: R39.2 U5.15 | length 469.9
  Top Layer w20: U5.15@4154,-148.72 4154,-69 4375.09,152.09 R39.2@4375.09,229.58
NetR40_2: R40.2 U6.15 | length 554.2
  Top Layer w20: R40.2@2777.12,-734.77 3093.77,-734.77 3219.62,-860.62 U6.15@3279.22,-860.62
NetR41_2: R41.2 U7.7 | length 595.6
  Top Layer w20: U7.7@5103.22,-288 5143.61,-288 5210.92,-220.69 5210.92,-34.08 5362.05,117.05 R41.2@5421.72,117.05
NetR42_2: R42.2 U8.7 | length 315.8
  Top Layer w20: R42.2@3042.22,229.58 3042.22,165.78 3081.3,126.7 3220.25,126.7 3231.97,114.98 3231.97,98.42 3231.69,98.14 3231.69,74.91 U8.7@3231,74.22
NetR43_2: R43.2 U9.7 | length 338.3
  Top Layer w20: R43.2@2777.12,-2097.98 2863.74,-2097.98 3005.3,-1956.42 U9.7@3056.78,-1956.42
NetR44_2: R44.2 U7.6 | length 559
  Top Layer w20: U7.6@5103.22,-338 5143.55,-338 5240.92,-240.63 5240.92,-93.08 5367.89,33.89 R44.2@5421.72,33.89
NetR45_2: R45.2 U8.6 | length 269.1
  Top Layer w20: R45.2@3121.58,229.58 3121.58,189 3151.58,159 3233,159 3280.31,111.69 3280.31,74.91 U8.6@3281,74.22
NetR46_2: R46.2 U9.6 | length 328.5
  Top Layer w20: R46.2@2777.12,-2024.38 2883.62,-2024.38 3001.58,-1906.42 U9.6@3056.78,-1906.42
NetR47_2: R47.2 U7.5 | length 527.2
  Top Layer w20: U7.5@5103.22,-388 5103.91,-387.31 5146.69,-387.31 5270.92,-263.08 5270.92,-146.35 5368,-49.27 R47.2@5421.72,-49.27
NetR48_2: R48.2 U8.5 | length 228.2
  Top Layer w20: R48.2@3200.94,229.58 3199.23,227.87 3199.23,205.85 3216.08,189 3246.03,189 3330.31,104.72 3330.31,74.91 U8.5@3331,74.22
NetR49_2: R49.2 U9.5 | length 318.7
  Top Layer w20: R49.2@2777.12,-1950.79 2904.59,-1950.79 2998.96,-1856.42 U9.5@3056.78,-1856.42
NetR50_2: R50.2 U7.4 | length 491.9
  Top Layer w20: U7.4@5103.22,-438 5147.85,-438 5300.92,-284.93 5300.92,-205.08 5373.57,-132.43 R50.2@5421.72,-132.43
NetR51_2: R51.2 U8.4 | length 197.1
  Top Layer w20: R51.2@3280.3,229.58 3284.35,225.53 3284.35,196.75 3380.31,100.8 3380.31,74.91 U8.4@3381,74.22
NetR52_2: R52.2 U9.4 | length 309
  Top Layer w20: R52.2@2777.12,-1877.2 2928.61,-1877.2 2999.38,-1806.42 U9.4@3056.78,-1806.42
NetR53_2: R53.2 U7.3 | length 458.9
  Top Layer w20: U7.3@5103.22,-488 5103.91,-487.31 5149.61,-487.31 5330.92,-306 5330.92,-258.98 5374.3,-215.59 R53.2@5421.72,-215.59
NetR54_2: R54.2 U8.3 | length 184.9
  Top Layer w20: R54.2@3359.66,229.58 3359.66,181.34 3430.31,110.69 3430.31,74.91 U8.3@3431,74.22
NetR55_2: R55.2 U9.3 | length 299.2
  Top Layer w20: R55.2@2777.12,-1803.6 2954.97,-1803.6 3002.15,-1756.42 U9.3@3056.78,-1756.42
NetR56_2: R56.2 U7.2 | length 418
  Top Layer w20: U7.2@5103.22,-538 5148,-538 5387.69,-298.31 5421.28,-298.31 R56.2@5421.72,-298.75
NetR57_2: R57.2 U8.2 | length 172.7
  Top Layer w20: R57.2@3439.02,229.58 3439.02,165.78 3481,123.8 U8.2@3481,74.22
NetR58_2: R58.2 U9.2 | length 289.4
  Top Layer w20: R58.2@2777.12,-1730.01 2972.78,-1730.01 2996.37,-1706.42 U9.2@3056.78,-1706.42
NetR59_2: R59.2 U7.1 | length 403.9
  Top Layer w20: U7.1@5103.22,-588 5148.98,-588 5355.06,-381.91 R59.2@5421.72,-381.91
NetR60_2: R60.2 U8.1 | length 160.6
  Top Layer w20: R60.2@3518.38,229.58 3518.38,159 3531,146.38 U8.1@3531,74.22
NetR61_2: R61.2 U9.1 | length 279.7
  Top Layer w20: R61.2@2777.12,-1656.42 U9.1@3056.78,-1656.42
NetR62_2: R62.2 U7.15 | length 644.9
  Top Layer w20: U7.15@4880.78,-538 4948,-538 5037.07,-627.07 5167.93,-627.07 5329.93,-465.07 R62.2@5421.72,-465.07
NetR63_2: R63.2 U8.15 | length 426.2
  Top Layer w20: U8.15@3481,-148.22 3481,-72 3597.74,44.74 R63.2@3597.74,229.58
NetR64_2: R64.2 U9.15 | length 553.3
  Top Layer w20: R64.2@2777.12,-1582.83 3098.83,-1582.83 3222.42,-1706.42 U9.15@3279.22,-1706.42
NetR75_2: R75.2 U11.3 | length 207.9
  Top Layer w20: U11.3@2616.89,-2914.28 v2(2616.89,-2815.28)
  Bottom Layer w20: v2(2616.89,-2815.28) R75.2@2616.89,-2706.36
NetU1_14: U1.14 U4.9 | length 1285.6
  Top Layer w20: U1.14@4880.55,-1880.59 4880.96,-1881 4983,-1881 v2(4985,-1883) ; U4.9@4880.55,-808 v2(4985.46,-808)
  Bottom Layer w20: v2(4985,-1883) 4985.46,-1882.54 v2(4985.46,-808)
NetU2_9: U2.9 U7.14 | length 987.3
  Top Layer w20: U2.9@4601,-148.22 v2(4601,-49) ; U7.14@4880.78,-488 4984.46,-488 v2(4985.46,-487)
  Bottom Layer w20: v2(4601,-49) 4918,-49 4985.46,-116.46 v2(4985.46,-487)
NetU2_14: U2.14 U5.9 | length 1277.1
  Top Layer w20: U5.9@3854,-148.22 v2(3854,-8) ; v2(4849,-7.42) 4849,-124.57 4851,-126.57 U2.14@4851,-148.22
  Bottom Layer w20: v2(3854,-8) 4562.74,-8 4563.33,-7.42 v2(4849,-7.42)
NetU3_9: U3.9 U8.14 | length 1116.8
  Top Layer w20: v2(3170,-595.5) U3.9@3274.49,-595.5 ; U8.14@3431,-148.22 3431,-8 v2(3432,-7)
  Bottom Layer w20: v2(3170,-595.5) 3168,-593.5 3168,-119.45 3143.25,-94.7 3143.25,-37.19 3161.83,-18.61 3417.27,-18.61 3428.89,-7 v2(3432,-7)
NetU3_14: U3.14 U6.9 | length 948.9
  Top Layer w20: v2(3210.64,-1161.58) 3211.59,-1160.62 U6.9@3279.22,-1160.62 ; v2(3212.12,-344.88) 3212.74,-345.5 U3.14@3274.49,-345.5
  Bottom Layer w20: v2(3210.64,-1161.58) 3210.64,-793.56 3212.12,-792.07 v2(3212.12,-344.88)
NetU4_14: U4.14 U7.9 | length 1104.8
  Top Layer w20: U4.14@4880.55,-1058 4881.24,-1058.69 4904.47,-1058.69 4904.52,-1058.74 v2(5023,-1058.74) ; U7.9@4880.78,-238 v2(5021.47,-238)
  Bottom Layer w20: v2(5021.47,-238) 5022.9,-239.43 5022.9,-783.92 5023,-784.02 v2(5023,-1058.74)
NetU5_14: U5.14 U8.9 | length 1117.8
  Top Layer w20: U8.9@3181,-148.22 3181.42,-147.8 3181.42,-54.79 v2(3181.85,-54.36) ; U5.14@4104,-148.22 v2(4104,-49)
  Bottom Layer w20: v2(3181.85,-54.36) 3184.96,-54.36 3190.32,-49 v2(4104,-49)
NetU6_14: U6.14 U9.9 | length 1321.9
  Top Layer w20: v2(3167,-2009) 3170.11,-2009 3172.69,-2006.42 U9.9@3279.22,-2006.42 ; v2(3168,-913) 3170,-911 3278.84,-911 U6.14@3279.22,-910.62
  Bottom Layer w20: v2(3167,-2009) 3167.46,-2008.54 3167.46,-913.54 v2(3168,-913)
NetU9_14: U9.14 U10.32 | length 1305.1
  Top Layer w20: v2(3211.67,-1756.67) 3278.97,-1756.67 U9.14@3279.22,-1756.42
  Bottom Layer w20: v2(3211.67,-1756.67) 3212,-1757 3212,-1935.07 3286.31,-2009.38 3624.04,-2009.38 3726,-1907.42 3726,-1549 3767.26,-1507.74 3814.26,-1507.74 U10.32@3820,-1502
RESET: R74.2 SW1.1 U11.1 | length 823.2
  Top Layer w20: U11.1@2459.41,-2914.28 2473.03,-2927.9 2473.03,-2951.77 2494.9,-2973.65 2584.98,-2973.65 2642.26,-2973.65 2734.42,-3065.8 SW1.1@2812.42,-3065.8 ; U11.1@2459.41,-2904.84 v2(2459.41,-2815.65)
  Bottom Layer w20: v2(2459.41,-2815.65) 2459.41,-2639.39 2519.89,-2578.92 R74.2@2562.33,-2578.92
RXD0: P11.2 S1.2 U11.21 | length 1391.8
  Top Layer w20: U11.21@2538.15,-2323.72 2551.77,-2310.1 2551.77,-2275.05 2563.49,-2263.33 3308.33,-2263.33 3379.68,-2334.68 P11.2@3379.68,-2425.35
  Bottom Layer w20: S1.2@3274,-2725 3228.41,-2679.41 3228.41,-2576.62 P11.2@3382.01,-2423.01
TXD0: P11.3 S1.1 U11.22 | length 1474.6
  Top Layer w20: U11.22@2470.41,-2323.72 2470.41,-2274.51 2516.94,-2227.98 3341.96,-2227.98 3481,-2367.02 P11.3@3481,-2413.83
  Bottom Layer w20: S1.1@3274,-2625 3278,-2625 P11.3@3481,-2422
UART1_RX: S1.10 U10.7 | length 1474.9
  Bottom Layer w20: S1.10@3574,-2625 3896.44,-2625 4011,-2510.44 4011,-2089.55 4398.55,-1702 U10.7@4420,-1702
UART1_TX: S1.9 U10.6 | length 1471.1
  Bottom Layer w20: S1.9@3574,-2725 3888,-2725 4068,-2545 4068,-2130.56 4396.56,-1802 U10.6@4420,-1802
VCC: F1.1 JDC1.1 | length 347.7
  Top Layer w60: F1.1@5233.66,-3055.16 5297.26,-3055.16 5320.69,-3031.72 JDC1.1@5320.69,-2788.41
  Bottom Layer w20: JDC1.1@5313.01,-2788.41 JDC1.1@5320.69,-2788.41
pads on no net: H1.1 H2.1 H3.1 H4.1 JDC1.3 U1.9 U10.1 U10.2 U10.3 U10.4 U10.5 U10.8 U10.9 U10.11 U10.12 U10.13 U10.14 U10.15 U10.16 U10.17 U10.21 U10.22 U10.23 U10.24 U10.25 U10.26 U10.27 U10.28 U10.29 U10.33 U10.34 U10.35 U10.36 U10.37 U11.2 U11.4 U11.5 U11.6 U11.7 U11.9 U11.10 U11.11 U11.12 U11.13 U11.14 U11.19 U11.20

## Polygon pours and split planes (outlines as drawn)
GND on Top Layer "GND_L01_P004" (solid, remove dead copper, pour order 4): 2395,-3155.16 2395,585 5804,585 5804,-3155.16
NetC3_1 on Top Layer "NETC3_1_L01_P000" (solid, pour order 0): 4978.3,-2960 5012.14,-2926.16 5012.14,-2614.73 4862.41,-2465 4720.2,-2465 4720.2,-2645.2 4755,-2680 4817.93,-2680 4862.41,-2724.49 4862.41,-2925.65 4896.76,-2960
+5 on Top Layer "+5_L01_P002" (solid, pour order 2): 4502.6,-2640.77 4499.82,-2643.55 4342.4,-2643.55 4323.07,-2624.23 4099.44,-2624.23 4099.44,-2915.44 4124,-2940 4277.07,-2940 4332,-2885.07 4332,-2788.01 4367.01,-2753 4527.94,-2753 4576.61,-2704.33 4576.61,-2485.61 4563.65,-2472.65 4515.49,-2472.65 4502.6,-2485.55
NetD2_2 on Top Layer "NETD2_2_L01_P001" (solid, pour order 1): 4734.67,-2365.66 4718.59,-2349.55 4441.16,-2349.55 4318.07,-2472.65 4099.44,-2472.65 4099.44,-2557.3 4348.7,-2557.3 4476,-2430 4609.77,-2430 4638.4,-2458.63 4638.4,-2623.35 4653.65,-2638.6 4691.82,-2638.6 4691.82,-2638.62 4707,-2623.43 4707,-2457.72 4734.67,-2430.05
GND on Bottom Layer "GND_L02_P008" (solid, remove dead copper, pour order 8): 2395,-3155.16 2395,585 5804,585 5804,-3155.16

## Keep-outs
Keep-Out Layer:
  the board outline again, w10

## Other copper
Top Layer:
  pour cut-out: 4091.56,-2462.81 4091.56,-2718.72 4323.85,-2718.72 4323.85,-2462.81
Bottom Layer:
  pour cut-out: 4091.56,-2462.81 4091.56,-2718.72 4323.85,-2718.72 4323.85,-2462.81

## Silkscreen, mask and mechanical layers (free items; w line width, h text height)
Top Overlay:
  drawing of 1776 lines, arcs and shapes, not listed
  text "3V3" at 3232.34,-2216.5 h30
  text "RX0" at 3344.26,-2216.5 h30
  text "TX0" at 3456.18,-2216.5 h30
  text "GND" at 3568.1,-2216.5 h30
  text "ESP8266-12E" at 2702.41,-2247.38 h30
  text "BLUEPILL" at 4074,-2407.83 h30
  text "TX0" at 3176.07,-2586.89 h30 r270
  text "UART1_RX/TX" at 3649.45,-2591.58 h30 r270
  text "RX0" at 3176.07,-2688.5 h30 r270
  text "GPIO0/2/15" at 3176.07,-2793.36 h30 r270
  text "GND" at 3644.46,-2965.58 h30 r270
  text "RESET" at 2648.89,-3020.47 h30

## Text inside footprints (layer, text, board x,y; h text height)
C3: Top Overlay "+" at 4811.18,-2615.27 h59.06 r180
C4: Top Overlay "+" at 4231.55,-2785.35 h59.06 r90
S1: Top Overlay "2" at 3313.76,-2710.43 h40 r270; Top Overlay "1" at 3313.76,-2615.94 h40 r270; Top Overlay "ON" at 3494.87,-2593.5 h40 r270; Top Overlay "3" at 3313.76,-2810.43 h40 r270; Top Overlay "4" at 3313.76,-2910.43 h40 r270; Top Overlay "5" at 3313.76,-3010.43 h40 r270; Mechanical 13 "2" at 3313.76,-2710.43 h40 r270; Mechanical 13 "ON" at 3494.87,-2593.5 h40 r270; Mechanical 13 "1" at 3313.76,-2615.94 h40 r270; Mechanical 13 "3" at 3313.76,-2810.43 h40 r270; Mechanical 13 "4" at 3313.76,-2910.43 h40 r270; Mechanical 13 "5" at 3313.76,-3010.43 h40 r270